# Altium PCB novena_evt1_a.PcbDoc (part 10 of 12)
Units mm, origin at the board's own origin, x right, y up, seen from the top; angles counter-clockwise.
Board outline 121 x 150 mm, 10 copper layers (Top, L2-GND, L3, L4, L5-PWR, L6-PWR, L7, L8, L9-GND, Bot), stack 1.621 mm thick; 951 components, 714 nets, 4891 pads, 2105 vias.
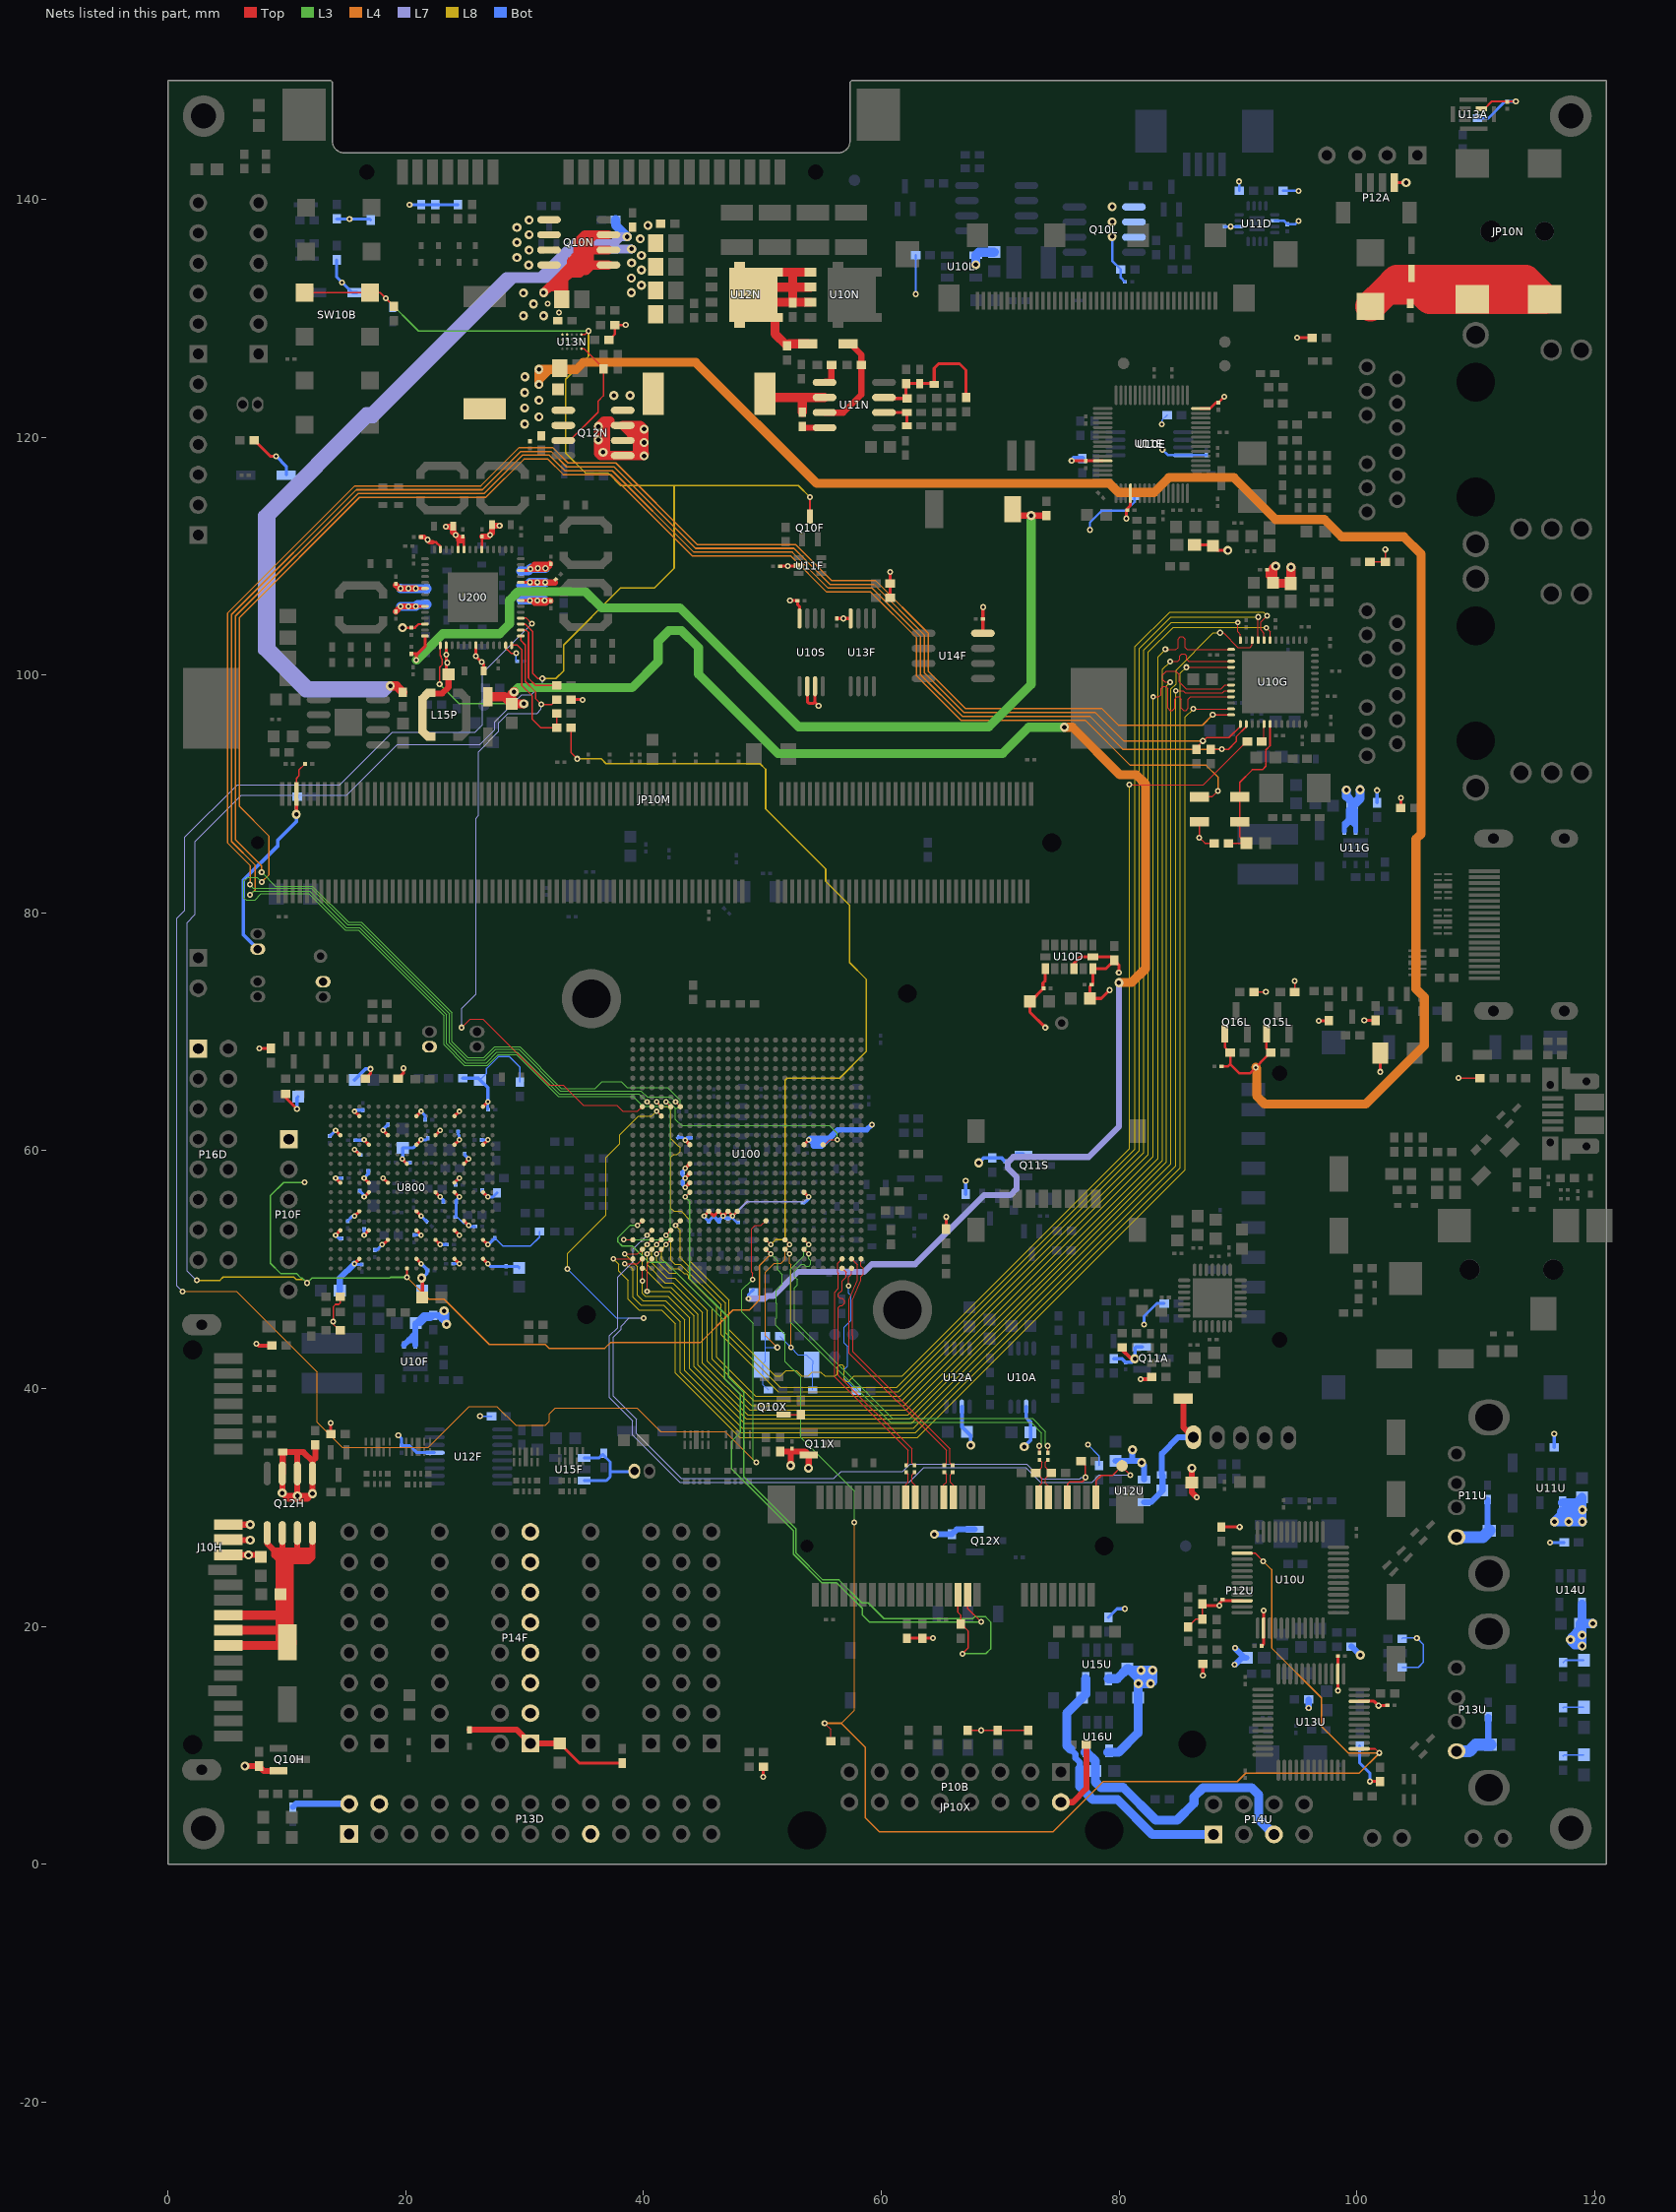
[diagram p18: the nets of this part, all layers, seen from the top]

## Via types
v1: diameter 0.508, hole 0.254, Top to Bot, tented both sides, 940 vias
v2: diameter 0.457, hole 0.203, Top to Bot, tented both sides, 793 vias
v3: diameter 0.762, hole 0.381, Top to Bot, tented both sides, 325 vias
v4: diameter 0.66, hole 0.33, Top to Bot, tented both sides, 23 vias
v5: diameter 0.66, hole 0.33, Top to Bot, tented top, 16 vias
v6: diameter 0.5, hole 0.254, Top to Bot, tented both sides, 8 vias

## Nets (pads, with @x,y where several pads share a name; then routed paths per layer and width w, separated by ;. In a path a pad name is that pad's centre, name@x,y a point inside that pad or via, vN(x,y) a via of type N, cw(c..) or ccw(c..) an arc to the next point about the centre after c; other vN are vias at no path point) (continued)
P3.3V: C10L.1 C18P.1 C25P.1 C26P.1 C27P.1 C28N.1 C28P.1 C29N.1 C29P.1 C30N.1 C30P.1 C31P.1 C45P.1 C47P.1 C48P.1 C54P.1 C55P.1 C56P.1 C57P.1 C58P.1 C59P.1 C60P.2 L11N.2 L15P.2 Q12N.1 Q12N.2 Q12N.3 Q15L.1 Q16L.1 R20L.1 R23L.1 R35N.2 R36N.1 U13N.A4 U200.7 U200.10 U200.12 U200.20 U200.23 U200.24 U200.34 U200.37 U200.40 U200.45 U200.50 U200.55 | length 220
  Top w0.127: U200.55@28.4,102.5 28.4,102.275 28.85,101.825 v1(29.275,101.825) ; Q12N.3@33.25,119.715 33.79,119.715 36.175,122.1 36.175,123.025 36.625,123.475 R36N.1@36.625,125.725 36.625,125.8 35,127.425 U13N.A4@34.775,127.425
  Top w0.203: v3(19.725,103.975) 20.775,103.975 21.075,104.275 U200.40@21.625,104.275 ; U200.24@24.4,110.55 24.4,111.25 24.475,111.325 ; 24.625,111.475 C31P.1@24.8,111.65 24.9,111.55 U200.23@24.9,110.55 ; U200.20@26.4,110.55 26.4,111.625 C59P.1@26.425,111.65 ; C10L.1@88.625,67.1 89.175,67.1 89.35,67.275 ; Q16L.1@88.9,69.85 88.9,68.7 R23L.1@89.35,68.25 89.35,67.275 ; Q15L.1@92.4,69.85 92.4,68.6 R20L.1@92.75,68.25 91,66.5 90.125,66.5 89.35,67.275
  Top w0.254: v1(19.575,107.275) U200.34@21.625,107.275 ; v1(20.85,105.775) U200.37@21.625,105.775 ; U200.45@23.4,102.5 v1(23.4,101.7) 23.4,100.35 C48P.1@23.6,100.15 ; U200.50@25.9,102.5 v1(25.9,101.575) 26.55,100.925 C47P.1@26.55,100.325 ; U200.7@29.675,106.275 C55P.1@32.2,106.275 ; U200.10@29.675,107.775 32.35,107.775 C54P.1@32.613,108.038 ; U200.12@29.675,108.775 31.85,108.775 32.2,109.125 C56P.1@32.2,109.35 ; v1(30.45,106.275) 30.775,105.95 31.825,105.95 C55P.1@32.15,106.275
  Top w0.508: C58P.1@19.175,105.325 v1(19.575,105.775) v1(20.225,105.775) v1(20.85,105.775) ; C57P.1@19.175,107.55 19.45,107.275 v1(19.575,107.275) v1(20.225,107.275) v1(20.85,107.275) ; L15P.2@22.125,98.575 22.25,98.45 23.075,98.45 23.6,98.975 C48P.1@23.6,100.05 ; v1(23.375,112.475) 23.925,112.475 C28P.1@23.975,112.525 23.975,112.025 24.675,111.325 24.475,111.325 ; C59P.1@26.425,111.65 26.95,111.65 27.25,111.95 27.25,112.55 v1(27.9,112.55) ; v1(30.45,106.275) v1(31.075,106.275) v1(31.675,106.275) 32.15,106.275 C55P.1@32.2,106.225 ; v1(30.45,107.775) v1(31.075,107.775) v1(31.725,107.775) 32.55,107.775 ; C56P.1@32.125,109.35 C56P.1@32.05,109.275 ; C56P.1@32.05,109.275 v1(31.75,108.975) 31.7,108.925 v1(30.475,108.925) 30.825,109.275 C56P.1@32.05,109.275
  L4 w0.762: v3(31.2,124.425) 31.2,124.825 ; v1(91.5,67) 91.575,66.925 91.575,64.6 92.25,63.925 100.75,63.925 105.675,68.85 105.675,72.9 104.975,73.6 104.975,86.2 105.4,86.625 105.4,110.175 103.95,111.625 98.725,111.625 97.275,113.075 93.175,113.075 89.65,116.6 84.2,116.6 82.95,115.35 79.95,115.35 79.2,116.1 54.575,116.1 44.388,126.287 34.937,126.287 34.35,125.7 32.075,125.7 ; 31.2,124.825 v3(31.2,125.7) 32.075,125.7 ; 31.2,124.825 32.075,125.7
  Bot w0.127: v1(29.275,101.825) 29.275,101.25 C60P.2@29.375,101.15
  Bot w0.762: v1(19.575,105.775) v1(20.225,105.775) v1(20.85,105.775) 21,105.925 C29P.1@21.775,105.925 ; v1(19.575,107.275) 19.6,107.25 C30P.1@21.8,107.25 ; C25P.1@29.675,106.325 v1@31.625,106.325 ; C26P.1@29.675,107.525 30.2,107.525 v1(30.45,107.775) v1(31.075,107.775) v1(31.725,107.775) ; C45P.1@29.675,108.75 30.3,108.75 v1(30.475,108.925) 30.525,108.975 v1(31.125,108.975) v1(31.75,108.975)
  other v1: 23.5,101.025 26.4,101.075 24.2,111.775 27.1,111.775
  other v3: 30,121.1 31.2,121.7 30,122.45 31.2,123.1 30,123.75 30.025,125.075
P3.3V_DELAYED: C10F.1 C10S.2 C10X.2 C11F.1 C12D.1 C12F.1 C13F.1 C13H.1 C14D.1 C14F.1 C14L.1 C14S.1 C15D.1 C15F.1 C16D.1 C16E.1 C16F.1 C17D.1 C17F.1 C17M.1 C17P.1 C18D.1 C18F.1 C19D.1 C19F.1 C19U.1 C20F.2 C20U.1 C21F.1 C22F.1 C23F.1 C23G.1 C24F.1 C24G.1 C25F.1 C26F.1 C27E.1 C27F.1 C28E.1 C28F.1 C29E.1 C29F.1 C30E.1 C30F.2 C31F.1 C32A.2 C32F.1 C33A.2 C33F.1 C34F.1 C35F.1 C36F.1 C37F.1 C38F.1 C39F.1 C40F.2 C41F.1 C42F.1 C43F.1 C44F.1 C45F.1 C46F.1 C46U.1 C47F.1 C47U.1 C48F.1 C49F.2 C50F.1 C64F.1 C66F.1 C67F.1 C72C.1 C73F.2 C75F.1 C76C.1 C77C.1 C78C.1 C79C.1 C84C.1 C85C.1 C86C.1 C87C.1 C88C.1 D10D.1 D11D.1 D11G.2 D20F.1 J10H.13 J10H.14 J10H.15 JP10M.199 L10E.2 L10U.1 L11G.1 L13U.1 P10B.2 P10F.1 P12A.1 P13D.1 P13D.17 P14F.1 P14F.3 P14F.5 P14F.7 P14F.9 P14F.11 P14F.13 P14F.15 P16D.1 P_EXT.1 P_LI2C_WP.2 P_SATA.1 Q10H.2 Q10L.1 Q10L.2 Q10L.3 Q11A.2 Q11S.2 Q11X.2 Q12N.5 Q12N.6 Q12N.7 Q12N.8 Q12X.2 R10B.2 R10D.1 R11B.2 R11D.1 R11F.2 R11L.2 R11S.1 R12D.1 R12H.1 R12L.2 R12M.1 R12S.2 R12U.2 R12X.2 R13B.2 R13D.2 R13F.2 R13H.1 R14B.2 R14D.1 R14F.1 R14P.2 R14U.2 R14X.1 R15B.2 R15G.2 R15U.2 R16B.2 R16F.1 R17D.2 R17U.2 R18G.2 R19D.1 R19E.1 R19G.2 R19U.2 R20A.2 R20G.2 R21F.1 R21N.2 R21U.2 R21X.2 R22B.2 R22F.2 R22X.2 R23E.1 R23U.2 R24E.1 R25E.1 R25F.2 R28F.1 R28N.1 R29A.2 R29F.1 R29L.1 R30F.1 R30L.1 R30N.1 R30U.2 R31A.2 R32U.2 R33U.2 R35B.1 R36B.1 R36U.2 R39B.1 R39U.1 R40U.1 R41B.1 R42U.2 R43B.1 U10D.1 U10D.4 U10D.6 U10D.7 U10E.16 U10E.44 U10E.52 U10S.2 U10S.3 U10S.8 U10U.34 U10U.38 U11D.6 U11D.14 U11E.8 U11F.5 U12F.13 U13A.1 U13F.8 U13U.34 U13U.38 U14F.8 U100.G14 U100.G15 U100.G16 U100.G17 U100.J7 U100.K19 U100.L19 U100.M19 U100.P7 U100.P19 U200.27 U800.B1 U800.B5 U800.B10 U800.B15 U800.B17 U800.D7 U800.D13 U800.E2 U800.E5 U800.E9 U800.E10 U800.E14 U800.E17 U800.G4 U800.G10 U800.G15 U800.J2 U800.J5 U800.J12 U800.J14 U800.J17 U800.K7 U800.M4 U800.M9 U800.M15 U800.P5 U800.P9 U800.P10 U800.P14 U800.R2 U800.R6 U800.R12 U800.R17 U800.U4 U800.U9 U800.U14 | length 365.6
  Top w0.127: JP10M.199@10.8,90 10.8,91.3 11,91.5 11,92 C17M.1@11.525,92.525 ; R16F.1@14.5,45.05 14.275,45.05 13.9,45.425 v1(13.9,45.625) 13.9,46.875 14.1,47.075 14.375,47.075 14.5,47.2 R14F.1@14.5,47.7 ; R14B.2@67.25,11.25 R15B.2@69.8,11.25 R16B.2@72.35,11.25 ; R14U.2@85.8,19.95 86.45,20.6 R17U.2@87,20.6 R19U.2@87,21.9 ; D11G.2@86.75,87.65 v1(86.75,86.325) 87.225,85.85 R20G.2@88,85.85 ; R24E.1@101.1,109.5 R19G.2@102.4,109.5 v1(102.4,110.55) v1@102.375,110.575 ; v1(108.55,66.1) R42U.2@110.35,66.1
  Top w0.178: U13A.1@110.475,147.6 110.725,147.6 111.35,148.225 v1(113.375,148.225)
  Top w0.203: 22.275,111.15 22.55,111.15 22.9,110.8 U200.27@22.9,110.55 ; v2(47.5,54.5) U100.G14@47.9,54.9
  Top w0.254: R12D.1@7.25,119.75 8.6,118.4 v1(9.1,118.4) ; v1(7.675,68.6) R39B.1@8.65,68.6 ; R25F.2@9.9,64.75 9.9,64.45 v1(10.85,63.5) ; R12H.1@13.7,36.15 v1(13.7,37.1) ; v2(14.1,52.9) U800.U14@14.5,53.3 ; v2(14.1,57.7) U800.U9@14.5,57.3 ; v2(14.1,61.7) U800.U4@14.5,61.3 ; v2(15.7,50.5) U800.R17@16.1,50.9 ; v2(15.7,54.5) U800.R12@16.1,54.9 ; v2(15.7,60.1) U800.R6@16.1,59.7 ; v2(15.7,63.3) U800.R2@16.1,62.9 ; v2(16.5,57.7) U800.P9@16.9,57.3 ; v2(16.5,60.9) U800.P5@16.9,60.5 ; v2(16.5,52.9) U800.P14@16.9,53.3 ; v2(16.5,56.1) U800.P10@16.9,56.5 ; R43B.1@16.6,66.05 17.025,66.475 v1(17.025,66.875) ; v2(18.026,52.103) 18.103,52.103 U800.M15@18.5,52.5 ; v2(18.1,57.7) U800.M9@18.5,57.3 ; v2(18.1,61.7) U800.M4@18.5,61.3 ; R41B.1@19.35,66.05 19.8,66.5 v1(19.8,66.925) ; v2(19.7,59.3) U800.K7@20.1,58.9 ; U800.J17@20.9,50.9 v2(21.3,50.5) ; U800.J14@20.9,53.3 v2(21.3,52.9) ; U800.J12@20.9,54.9 v2(21.3,54.5) ; U800.J5@20.9,60.5 v2(21.3,60.9) ; U800.J2@20.9,62.9 v2(21.3,63.3) ; U800.G15@22.5,52.5 v2(22.9,52.1) ; U800.G10@22.5,56.5 v2(22.9,56.1) ; U800.G4@22.5,61.3 v2(22.9,61.7) ; U800.E17@24.1,50.9 v2(24.5,50.5) ; U800.E14@24.1,53.3 v2(24.5,52.9) ; U800.E10@24.1,56.5 v2(24.5,56.1) ; U800.E9@24.1,57.3 v2(24.5,57.7) ; U800.E5@24.1,60.5 v2(24.5,60.9) ; U800.E2@24.1,62.9 v2(24.5,63.3) ; U800.D13@24.9,54.1 v2(25.3,53.7) ; U800.D7@24.9,58.9 v2(25.3,59.3) ; U800.B17@26.5,50.9 v2(26.9,50.5) ; U800.B15@26.5,52.5 v2(26.9,52.1) ; U800.B10@26.5,56.5 v2(26.9,56.1) ; U800.B5@26.5,60.5 v2(26.9,60.9) ; U800.B1@26.5,63.7 v2(26.9,64.1) ; C73F.2@32.95,10.15 34.6,8.5 C12D.1@38.2,8.5 ; R14P.2@33.9,97.925 34.85,97.925 v1@34.9,97.875 ; v2(45.1,54.5) U100.G17@45.5,54.9 45.9,54.5 U100.G16@46.3,54.9 ; U100.G16@46.3,54.9 v2(46.7,54.5) U100.G15@47.1,54.9 ; U100.G15@47.1,54.9 v2(47.5,54.5) ; v1(50.075,7.325) R11F.2@50.075,8.175 ; C66F.1@51.5,109.15 53,109.15 U11F.5@53.05,109.2 ; v1(52.325,106.25) C14S.1@52.95,106.25 52.95,105.925 53.125,105.75 U10S.8@53.125,104.75 ; U100.J7@53.5,56.5 v2(53.9,56.1) ; U100.P7@53.5,60.5 v2(53.9,60.9) ; U10S.2@53.775,99.05 53.775,97.75 53.9,97.625 54.3,97.625 54.425,97.75 ; U10S.3@54.425,99.05 54.425,97.75 ; v1(54.725,97.4) 54.425,97.7 54.425,97.75 ; C64F.1@56.25,104.75 U13F.8@57.425,104.75 ; v1@60.725,108.7 v1(60.75,108.675) R29F.1@60.75,107.7 R30F.1@60.75,106.5 ; R22X.2@62.152,19.004 R21X.2@63.452,19.004 v1(64.346,19.004) v1@64.35,19 ; R22B.2@65.45,53.4 v1(65.45,54.425) ; U14F.8@68.55,103.505 68.55,105.675 v1(68.575,105.7) ; v1(73.8,70.35) 72.5,71.65 C14D.1@72.5,72.55 72.55,72.55 C17D.1@73.65,73.65 73.6,73.7 73.6,74.1 73.8,74.3 U10D.1@73.8,75.3 ; v1@76,118 v1(76.002,118.002) 76.004,118.004 U10E.44@78.625,118.004 ; U10D.4@76.2,75.3 76.2,75.75 76.75,76.3 U10D.7@77.8,76.3 79.3,76.3 R17D.2@79.6,76 ; v1(79.2,73.5) 78.5,72.8 C16D.1@77.55,72.8 77.55,73.8 C15D.1@77.7,73.95 77.8,74.05 U10D.6@77.8,75.3 78.9,75.3 R17D.2@79.6,76 ; v1(79.975,74.975) 79.975,75.625 R17D.2@79.6,76 ; v1(80.6,113.15) 80.6,113.75 C30E.1@80.7,113.85 80.7,113.979 80.95,114.229 U10E.52@80.95,115.279 ; L10E.2@86.35,110.95 87.8,110.95 C27E.1@87.9,110.85 88.275,110.475 v3(89.15,110.475) ; U10E.16@86.875,122.404 87.654,122.404 88.15,122.9 C28E.1@88.35,122.9 v1(88.85,123.4) ; R19U.2@87,21.9 87.15,21.75 v1(88.45,21.75) 88.45,21.925 88.675,22.15 U10U.34@90.35,22.15 ; v1(87.05,15.875) R12U.2@87.05,16.85 ; R21U.2@88.6,28.35 v1(90.15,28.35) ; C20U.1@92,18.35 92.15,18.5 U10U.38@92.15,19.85 v1(92.15,21.325) ; C24G.1@92.45,108.85 92.45,108.25 C23G.1@92.95,107.75 ; v1(94.975,128.35) R25E.1@96.25,128.35 ; v1(96.8,70.925) R29L.1@97.65,70.925 ; v1(98.4,14.6) U13U.38@98.4,16 C46U.1@98.4,17.5 ; U13U.34@100.2,13.7 101.45,13.7 v1(101.825,13.325) 102.525,13.325 C47U.1@102.575,13.375 ; v1(100.625,70.95) R30L.1@101.575,70.95 ; v1(101.1,6.95) R36U.2@101.95,6.95 ; P12A.1@103.15,141.4 v3(104.15,141.4) ; R15G.2@103.7,88.8 v1(103.7,89.675)
  Top w0.3: v1(7.45,43.775) 7.625,43.6 R22F.2@8.75,43.6 ; v3(10.8,88.275) JP10M.199@10.8,90 ; v3(21.337,49.288) 21.4,49.225 C30F.2@21.4,47.65
  Top w0.305: v2(43.5,56.9) U100.K19@43.9,57.3 ; v2(43.5,57.7) U100.L19@43.9,58.1 ; v2(43.5,58.5) U100.M19@43.9,58.9 ; v2(43.51,60.89) U100.P19@43.9,60.5 ; R11B.2@80.25,43.45 80.25,43.275 81.025,42.5 v3(81.325,42.5) ; v1(81.8,40.775) 82.575,40.775 R10B.2@82.75,40.95
  Top w0.381: C17P.1@21.275,111.6 21.55,111.6 22,111.15 22.275,111.15
  Top w0.508: J10H.13@4.65,26 7.65,26 C13H.1@7.8,25.85 ; J10H.14@4.8,27.25 v3(6.925,27.25) ; J10H.15@4.8,28.55 v3(6.925,28.55) ; v3@6.45,8.275 v3(6.475,8.25) R13H.1@7.65,8.25 8.05,7.85 Q10H.2@9.3,7.85 ; D20F.1@25.35,11.3 29.34,11.3 P14F.1@30.48,10.16 30.49,10.15 C73F.2@32.95,10.15 ; R12X.2@51.5,34.7 52.375,34.7 ; v3(52.375,33.525) 52.375,34.7 ; v3(53.875,33.3) 53.9,33.325 Q11X.2@53.9,34.4 53.6,34.7 52.375,34.7 ; P10B.2@75.1,5.21 76.11,5.21 77.25,6.35 R13B.2@77.25,10.05 ; v3(86.125,33.3) L10U.1@86.125,32.075 86.125,31.25 v1(86.525,30.85)
  Top w0.762: v3@36.8,118.6 36.8,120.95 37.2,121.35 37.175,121.375 36.675,121.375 v3(36.2,120.9) 36.2,118.625 36.38,118.445 Q12N.5@38.25,118.445 39.92,118.445 40.075,118.6 40.05,118.625 v3(40.05,120.675) 39.725,121 39.71,120.985 Q12N.7@38.25,120.985 39.475,119.76 39.475,118.85 39.525,118.9 39.525,120.625 ; v3@93.15,109.15 92.95,108.95 C23G.1@92.95,107.75 93,107.7 L11G.1@94.45,107.7 v3(94.45,109.05)
  L7 w0.127: 48.706,55.706 53.494,55.706 53.5,55.7 v2(53.9,56.1)
  L7 w0.203: v2(47.5,54.5) 48.706,55.706
  Bot w0.127: C25F.1@24.175,54.425 24.332,54.425 24.882,53.875 25.125,53.875 v2(25.3,53.7) ; v1(26.25,37.675) R28F.1@27.225,37.675 ; C49F.2@26.25,65.95 26.8,66.5 26.8,66.9 27.8,67.9 28.725,67.9 29.6,67.025 R21F.1@29.6,65.75 ; C24F.1@27.5,52.65 28.175,51.975 30.5,51.975 31.25,52.725 R36B.1@31.25,53.2 ; v1(77.375,35.275) 78.3,34.35 R23U.2@78.3,33.525 ; v1@83.6,121.2 83.6,121.4 R19E.1@84.05,121.85 ; R32U.2@103.8,16.55 105.175,16.55 105.6,16.975 105.6,18.475 v1(105.05,19.025) 103.875,19.025 R30U.2@103.8,18.95
  Bot w0.203: v2(47.5,54.5) 47.5,54.308 47.771,54.037 47.782,54.037 47.874,53.945 C72C.1@48.015,53.945 ; R12L.2@62.9,135.3 v1(62.9,132.025) v1@62.925,132 ; v3(79.425,136.875) 79.425,134.825 R11L.2@80.15,134.1 80.15,133.4 C14L.1@80.5,133.05 ; v1(83.65,118.95) 84.125,118.475 U11E.8@85.4,118.475 87.325,118.475 C16E.1@87.35,118.5 ; C18D.1@88.9,137.7 U11D.14@90.1,137.7 ; R13D.2@90.1,140.7 v1(90.1,141.5) v1@90.15,141.55 ; U11D.6@93.1,138.2 93.85,138.2 C19D.1@94.15,137.9 94.825,137.9 v1(95.1,138.175) ; R19D.1@93.8,140.7 v1(95.1,140.7)
  Bot w0.254: v1(9.1,118.4) 9.95,117.55 D11D.1@9.95,116.8 ; v1(10.85,63.5) 10.85,64.45 C41F.1@10.95,64.55 ; C13F.1@13.6,61.225 13.625,61.225 v2(14.1,61.7) ; v2(14.1,52.9) 14.375,52.625 C14F.1@14.575,52.625 ; v2(14.1,57.7) C32F.1@14.6,57.7 ; R10D.1@14.2,134.9 14.2,133.45 15.5,132.15 D10D.1@15.9,132.15 ; R11D.1@14.2,138.35 16.95,138.35 R14D.1@17.05,138.25 ; C48F.1@15.1,54.075 15.525,54.5 v2(15.7,54.5) ; v2(15.7,50.5) 15.775,50.425 C16F.1@16.3,50.425 ; v2(15.7,60.1) 15.75,60.1 C10F.1@16.2,59.65 ; C45F.1@15.75,60.875 16.475,60.875 v2(16.5,60.9) ; C38F.1@16.125,56.625 16.5,56.25 v2(16.5,56.1) ; v2(16.5,57.7) 16.85,58.05 C37F.1@16.85,58.325 ; v2(16.5,52.9) C33F.1@16.5,53.4 ; C15F.1@17.4,51.65 17.573,51.65 v2(18.026,52.103) ; v2(18.1,61.7) 18.1,61.8 C11F.1@18.5,62.2 ; v1(19.375,36.075) 19.65,35.8 C67F.1@19.65,35.2 20.35,35.2 20.95,34.6 U12F.13@22.425,34.6 ; v1@20.325,139.55 R21N.2@24.4,139.55 ; C35F.1@20.375,59 20,59 v2(19.7,59.3) 19.75,59.35 C50F.1@19.75,60.25 20.65,60.25 v2(21.3,60.9) 21.7,60.9 C36F.1@21.85,61.05 ; C46F.1@20.7,52.9 v2@21.3,52.9 ; v2(21.3,54.5) 21.738,54.062 C43F.1@21.763,54.062 ; v2(21.3,63.3) 21.625,62.975 C28F.1@21.625,62.6 ; v2(22.9,52.1) C44F.1@23.45,52.1 ; v2(22.9,56.1) 23.175,55.825 C42F.1@23.175,55.65 ; C17F.1@24,50.5 v2(24.5,50.5) ; C25F.1@24.175,54.425 24.25,54.5 C26F.1@24.25,55.65 24.25,55.85 v2(24.5,56.1) ; C47F.1@24.2,57.125 24.2,57.4 v2(24.5,57.7) ; C12F.1@24.4,61.625 24.4,61.375 24.5,61.275 v2(24.5,60.9) ; C27F.1@24.975,59.75 24.975,59.625 v2(25.3,59.3) ; v2(25.3,53.7) 25.375,53.625 C39F.1@25.825,53.625 ; C22F.1@26.4,60.9 v2(26.9,60.9) ; C34F.1@26.425,56.675 26.425,56.575 v2(26.9,56.1) 27.325,56.1 R35B.1@27.675,56.45 ; v2(26.9,50.5) 27.15,50.25 29.45,50.25 C40F.2@29.55,50.15 ; v2(26.9,52.1) 26.95,52.1 C24F.1@27.5,52.65 ; C23F.1@26.9,63.475 v2(26.9,64.1) ; C87C.1@42.912,61.112 43.288,61.112 v2(43.51,60.89) ; v2(43.5,56.9) 43.3,57.1 43.3,57.5 v2(43.5,57.7) 43.25,57.95 43.25,58.25 v2(43.5,58.5) ; v2(45.1,54.5) 45.1,54.425 C84C.1@45.5,54.025 45.5,54.1 45.9,54.5 ; v2(46.7,54.5) 46.9,54.3 C79C.1@47.1,54.3 47.3,54.3 v2(47.5,54.5) ; C78C.1@53.527,55.623 53.653,55.75 53.704,55.75 53.9,55.947 v2(53.9,56.1) ; v2(53.9,60.9) 54.149,60.651 C86C.1@54.149,60.407 ; R39U.1@79.1,20.75 79.825,21.475 v1(80.475,21.475) ; v1@82.1,45.35 82.1,46.075 83.175,47.15 R29A.2@83.8,47.15 ; R40U.1@100.25,9.925 100.25,8.5 101.1,7.65 v1(101.1,6.95) ; R18G.2@101.7,89.25 v1(101.7,90.3) v1@101.725,90.325 ; R31A.2@110.15,146.825 111.075,146.825 112.475,148.225 v1(113.375,148.225) ; v1@116.2,27 v1(116.25,27.05) R33U.2@117.45,27.05 ; R15U.2@116.6,35.05 v1(116.6,36.2)
  Bot w0.3: P_SATA.1@7.55,76.95 6.35,78.15 6.35,82.75 9.25,85.65 9.25,86.125 10.8,87.675 v3(10.8,88.275) 10.8,89.675 R12M.1@10.875,89.75 ; v2(15.7,63.3) 15.8,63.4 C19F.1@16.4,63.4 ; C21F.1@15.7,65.95 16.625,66.875 v1(17.025,66.875) ; v2(21.3,50.5) 21.775,50.025 21.775,49.65 21.4,49.275 C20F.2@21.4,48.25 ; R13F.2@24.8,66.1 26.1,66.1 C49F.2@26.25,65.95 26.9,65.3 v2(26.9,64.1)
  Bot w0.305: v2(43.51,60.89) 43.691,61.072 C85C.1@44.013,61.072 ; 45.9,54.5 45.9,54.475 C76C.1@46.35,54.025 46.35,54.15 v2(46.7,54.5) ; R11S.1@67.1,56.35 v1(67.1,57.45) ; v3(68.2,58.975) 68.625,59.4 R12S.2@69.35,59.4 70.1,59.4 C10S.2@70.4,59.1 70.775,59.1 71.375,59.7 Q11S.2@71.95,59.7 ; R20A.2@79.55,42.5 80.25,42.5 C32A.2@80.55,42.2 81.025,42.2 v3(81.325,42.5) 81.325,43.4 81.425,43.5 Q11A.2@81.95,43.5
  Bot w0.457: C86C.1@54.3,60.4 54.99,60.4 55.37,60.78 ; v1@59.2,62.175 58.775,61.75 56.34,61.75 55.633,61.042 ; v1(76.002,118.002) 76.2,118.2 R23E.1@76.9,118.2 ; 55.37,60.78 54.112,60.78 53.992,60.9 v2(53.9,60.9) 54.042,61.042 55.633,61.042 ; 55.37,60.78 55.633,61.042
  Bot w0.508: C31F.1@14.45,48.225 14.45,49.276 15.674,50.5 v2(15.7,50.5) ; v3@64.45,27.725 64.475,27.75 R14X.1@65.95,27.75 66.35,28.15 Q12X.2@67.85,28.15 ; v1(89.725,16.775) 90.3,17.35 L13U.1@90.575,17.35 ; v1(89.75,18.175) L13U.1@90.575,17.35 ; L13U.1@90.7,17.35 L13U.1@90.575,17.35
  other v1: 68.4,11.25 82.1,45.375 59.2,62.179 34.875,97.9 56.8,104.75 52.125,109.15 21.85,111.375 83.6,121.075 14.65,133 89.375,137.7 15.275,138.35 20.325,139.525
  other v3: 6.775,26 64.462,27.737 93.175,109.15 40.05,118.425 36.6,118.725 40.05,119.55 36.2,119.763 37.5,123.5 38.875,123.5 79.425,138.1 79.425,139.375
P3.3V_LICELL: C21P.1 C22P.1 R19P.2 U200.42 | length 81.5
  Top w0.254: C22P.1@20.475,101.775 21,101.775 ; v1(20.9,101.25) 20.9,101.675 21,101.775 ; U200.42@21.625,103.275 21.625,102.4 21,101.775
  Top w0.508: C21P.1@71.05,113.95 71.6,113.4 v3(72.6,113.4) R19P.2@73.9,113.4
  L3 w0.762: v1(20.9,101.25) 23.125,103.475 27.9,103.475 28.725,104.3 28.725,106.275 29.462,107.012 35.113,107.012 36.475,105.65 43.05,105.65 53.05,95.65 69.05,95.65 72.6,99.2 v3(72.6,113.4)
P5.0V: C20N.1 C21N.1 C22N.1 C23N.1 C27N.1 C31N.1 C32N.1 L10N.2 Q10N.1 Q10N.2 Q10N.3 R13M.1 R13N.2 R24N.2 R32N.1 R33N.2 U13N.D1 U13N.D2 U13N.E1 U13N.E2 | length 167
  Top w0.203: R32N.1@37.1,128.175 37.6,128.675 R33N.2@37.6,129.425 v1(38.5,129.425)
  Top w0.254: 32.1,132.65 32.1,132.95 33.95,134.8 ; C31N.1@33.125,131.6 33.55,132.025 33.55,133.175 33.9,133.525 34.68,133.525 35.142,133.987
  Top w0.762: v3(18.7,99.075) 19.225,99.075 R13M.1@19.75,98.55 ; v3(31.6,132.15) 32.1,132.65 32.375,132.65 ; C31N.1@33.125,131.6 C31N.1@33.125,132.175 ; Q10N.1@37.05,134.47 35.625,134.47 ; Q10N.2@37.05,135.74 35.465,135.74 ; Q10N.3@37.05,137.01 35.86,137.01 ; 32.375,132.65 32.65,132.65 ; 32.375,132.65 32.65,132.925 ; 32.65,132.65 32.65,132.925 ; 32.65,132.65 C31N.1@33.125,132.175 ; 32.65,132.925 33.125,133.4 ; C31N.1@33.125,132.175 33.125,133.4 ; 33.125,133.4 33.713,133.987 ; 33.713,133.987 33.95,134.225 ; 33.713,133.987 34.267,133.987 ; 33.95,134.225 34.195,134.47 ; 33.95,134.225 33.95,134.8 34.463,135.313 ; 34.195,134.47 34.75,134.47 ; 34.195,134.47 34.913,135.187 ; 34.267,133.987 35.142,133.987 35.625,134.47 ; 34.267,133.987 34.75,134.47 ; 34.463,135.313 34.89,135.74 34.913,135.74 ; 34.463,135.313 34.463,136.413 35.06,137.01 35.86,137.01 ; 34.75,134.47 35.075,134.47 ; 34.75,134.47 34.913,134.633 ; 34.913,134.633 35.075,134.47 ; 34.913,134.633 34.913,135.187 ; 34.913,135.187 34.913,135.74 ; 34.913,135.187 35.465,135.74 ; 34.913,135.74 34.913,136.062 35.3,136.45 ; 34.913,135.74 35.465,135.74 ; 35.075,134.47 35.625,134.47 ; 35.3,136.45 35.465,136.615 ; 35.3,136.45 35.465,136.285 ; 35.465,135.74 35.465,134.63 35.625,134.47 ; 35.465,135.74 35.465,136.285 ; 35.465,136.285 35.465,136.615 ; 35.465,136.615 35.86,137.01
  L7 w0.762: v3@18.675,98.975 18.175,98.475 11.525,98.475 7.95,102.05 7.95,113.45 16.65,122.15 17.1,122.15 28.45,133.5 31.95,133.5 ; v3(18.7,99.075) 11.875,99.075 8.675,102.275 8.675,113.375 16.85,121.55 17.3,121.55 29.1,133.35 31.875,133.35 34.35,135.825 v3(39,135.825) ; 31.425,133.575 34.125,136.275 37.375,136.275 ; 37.025,135.825 38.05,136.85 v3(38.625,136.85)
  Bot w0.762: R24N.2@37.65,138.28 37.65,137.825 v3(38.625,136.85)
  other v1: 32.9,130.475 31.95,131.225
  other v3: 29.9,130.2 31.6,130.2 30.75,131.2 29.9,132.125 38.975,132.15 39.825,132.775 38.975,133.375 39.825,134.05 39,134.65 39.825,135.275 39.725,136.675 40.375,137.8
P5.0V_DELAYED: C10H.1 C13D.1 C15L.1 C18A.2 C22U.1 C26U.1 C27A.2 C29G.1 C48U.1 C55U.1 C56U.1 C65F.1 C71F.1 F10L.1 P13D.2 P13D.4 P_PWM.2 Q10N.5 Q10N.6 Q10N.7 Q10N.8 Q12H.1 Q12H.2 Q12H.3 R10E.1 R10H.2 R10U.1 R20F.2 R21L.1 R22L.1 R28U.1 U10A.6 U10F.4 U10F.5 U10L.4 U11G.4 U11G.5 U11U.4 U12A.6 U12U.4 U14U.4 U15F.1 U15F.3 U15U.4 U16U.4 | length 119.4
  Top w0.127: R21L.1@91.35,73.35 v1(92.35,73.35) ; R22L.1@94.775,73.35 v1(94.775,74.275)
  Top w0.254: v1(101.975,66.625) F10L.1@101.975,68.2
  Top w0.508: R10H.2@12.4,35.25 12.4,34.14 12.155,33.895 ; v3@9.85,30.975 v3(10.885,30.975) ; v3@9.85,30.975 v3(9.615,31.21) Q12H.3@9.615,32.85 9.65,32.885 C10H.1@9.65,34.65 10.825,34.65 ; v3@9.85,30.975 10.075,30.75 v3@10.85,30.75 ; 10.825,34.65 10.885,34.59 Q12H.2@10.885,32.85 v3(10.885,30.975) ; 10.825,34.65 11.4,34.65 12.155,33.895 ; v3@10.85,30.75 10.885,30.785 v3(10.885,30.975) ; v3@10.85,30.75 11.75,30.75 v3@11.975,30.975 ; v3(10.885,30.975) v3@11.975,30.975 ; v3@11.975,30.975 v3(12.155,31.155) Q12H.1@12.155,32.85 12.155,33.895